# Altium PCB NG2094.PcbDoc (part 3 of 3)
Units mm, origin at the board's own origin, x right, y up, seen from the top; angles counter-clockwise.
Board outline 90 x 30.3 mm, 6 copper layers (Top Layer, Inner Layer 1, Ground 1, Inner Layer 2, Ground 2, Bottom Layer), stack 1.576 mm thick; 164 components, 128 nets, 718 pads, 672 vias.
Unrouted connection lines stored in the file: 11.
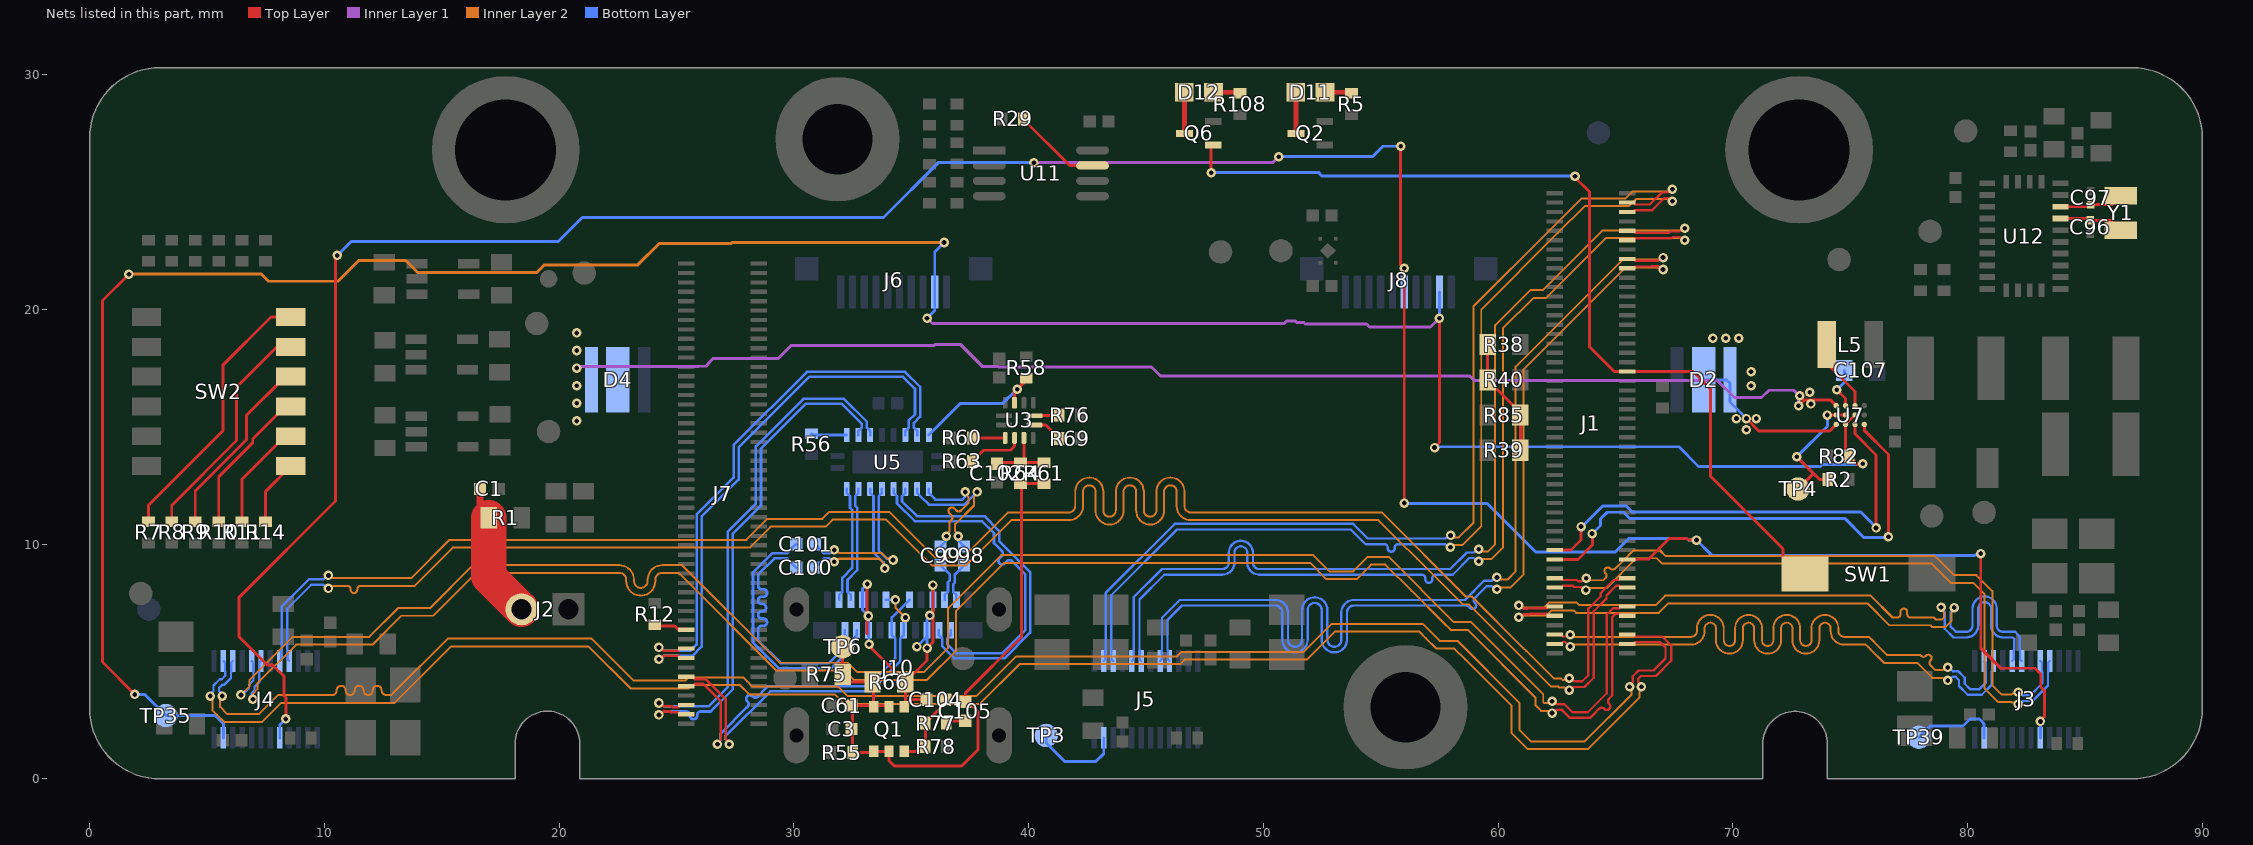
[diagram p7: the nets of this part, all layers, seen from the top]

## Via types
v1: diameter 0.406, hole 0.203, Top Layer to Bottom Layer, tented both sides, 664 vias
v2: diameter 0.508, hole 0.254, Top Layer to Bottom Layer, 8 vias

## Nets (pads, with @x,y where several pads share a name; then routed paths per layer and width w, separated by ;. In a path a pad name is that pad's centre, name@x,y a point inside that pad or via, vN(x,y) a via of type N, cw(c..) or ccw(c..) an arc to the next point about the centre after c; other vN are vias at no path point) (continued)
I2C2_SDA: J1.79 J3.20 J4.20 J8.6 | length 126.1
  Top Layer w0.125: v1(8.359,2.557) 8.359,3.463 8.287,3.534 8.287,4.364 7.796,4.855 7.566,4.855 6.357,6.065 6.357,7.718 10.475,11.836 10.475,22.225 v1(10.55,22.3) ; v1(55.85,26.95) 55.85,21.9 v1(56,21.75) v1(56,11.75) ; J1.79@65.495,9.35 65.912,9.35 65.928,9.366 66.416,9.366 67.29,10.24 68.043,10.24 68.107,10.175 v1(68.45,10.175) ; v1(80.559,9.597) 80.559,5.566 81.409,4.715 82.872,4.715 83.116,4.472 83.116,3.916 83.266,3.766 83.266,2.664 83.1,2.498 v1(83.1,2.45)
  Inner Layer 1 w0.125: v1(40.225,26.25) 50.394,26.25 v1(50.65,26.506)
  Bottom Layer w0.125: J4.20@8.1,1.745 8.1,2.298 v1(8.359,2.557) ; v1(10.55,22.3) 11.15,22.9 19.975,22.9 20.988,23.913 33.813,23.913 36.15,26.25 v1(40.225,26.25) ; v1(50.65,26.506) 54.65,26.506 55.094,26.95 v1(55.85,26.95) ; v1(56,11.75) 56.021,11.729 59.533,11.729 61.587,9.675 65,9.675 65.564,10.24 68.043,10.24 68.107,10.175 v1(68.45,10.175) 69.1,9.525 80.289,9.525 80.307,9.543 80.506,9.543 v1(80.559,9.597) ; J8.6@56,20.75 v1(56,21.75) ; J3.20@83.1,1.745 v1(83.1,2.45)
I2C3_SCL: J1.78 U7.B3 | length 20
  Top Layer w0.125: J1.78@62.415,9.75 63.1,9.75 63.525,10.175 63.525,10.739 v1(63.534,10.747) ; U7.B3@75.2,15.1 75.2,14.7 76.1,13.8 v1(76.1,10.691)
  Bottom Layer w0.125: v1(63.534,10.747) 63.585,10.747 64.472,11.634 65.449,11.634 65.709,11.375 75.45,11.375 76.1,10.725 v1(76.1,10.691)
I2C3_SDA: J1.80 U7.A3 | length 21.2
  Top Layer w0.125: J1.80@62.415,9.35 63.4,9.35 64.025,9.975 64.025,10.43 v1(64.004,10.451) ; U7.A3@75.6,15.1 75.6,14.85 76.625,13.825 v1(76.625,10.315)
  Bottom Layer w0.125: v1(64.004,10.451) 64.026,10.451 64.366,10.791 64.366,11.078 64.647,11.359 65.335,11.359 65.595,11.1 74.764,11.1 75.589,10.275 76.585,10.275 v1(76.625,10.315)
LED_FLD_1: D2.1 U7.D3 | length 7.1
  Top Layer w0.125: v1(70.575,15.35) 71.1,14.825 74.125,14.825 U7.D3@74.4,15.1
  Bottom Layer w0.125: D2.1@68.75,17 69.725,17 69.875,16.85 69.875,16.05 v1(70.575,15.35)
  other v1: 70.575,14.875 70.15,15.35 71,15.35 70.775,16.75 70.775,17.348 69.15,18.775 69.7,18.775 70.25,18.775
LED_FLD_2: D4.1 U7.D1 | length 55.9
  Top Layer w0.125: v1(72.8,15.9) 73.05,16.15 74.15,16.15 U7.D1@74.4,15.9
  Inner Layer 1 w0.125: v1(20.75,17.5) 20.804,17.554 20.942,17.554 20.964,17.575 25.946,17.575 25.951,17.58 26.261,17.58 26.334,17.653 26.334,17.672 26.578,17.915 29.341,17.915 29.885,18.46 35.991,18.46 36.044,18.513 37.087,18.513 38.025,17.575 38.7,17.575 38.725,17.55 45.234,17.55 45.622,17.163 58.795,17.163 58.992,16.966 69.35,16.966 70.066,16.25 71.225,16.25 71.533,16.558 72.592,16.558 72.8,16.35 v1(72.8,15.9)
  other v1: 20.75,15.25 73.325,15.975 20.75,16 72.85,16.325 73.275,16.475 20.75,16.75 20.75,18.25 20.75,19
MIPI_RX2_C_N: J1.95 J4.11 | length 76
  Top Layer w0.098: J1.95@65.495,6.15 65.755,6.15 65.835,6.07 66.994,6.07 67.37,5.695 67.37,5.03 66.72,4.381 66.078,4.381 65.973,4.276 65.973,4.136 66.106,4.003 v1(66.106,3.925)
  Inner Layer 2 w0.084: v1(5.141,3.528) 5.141,3.441 5.229,3.353 5.229,2.929 5.417,2.742 5.724,2.434 7.351,2.434 7.911,2.994 8.158,3.242 12.992,3.242 15.4,5.65 21.25,5.65 23.041,3.859 25.518,3.859 25.654,3.995 27.705,3.995 28.1,3.6 31.75,3.6 32.155,3.195 37.912,3.195 39.611,4.894 46.457,4.894 46.648,5.085 51.852,5.085 53.042,6.275 56.65,6.275 56.925,6 57.375,5.55 58.133,5.55 58.592,5.092 60.575,3.108 60.575,1.95 60.925,1.6 61.258,1.267 63.825,1.267 66.018,3.459 v1@66.018,3.75
  Bottom Layer w0.098: v1(5.141,3.528) 5.141,3.606 5.274,3.739 5.274,3.978 5.541,4.245 5.625,4.245 5.78,4.4 5.78,4.557 5.766,4.571 5.766,4.959 J4.11@5.7,5.025
MIPI_RX2_C_P: J1.97 J4.10 | length 75.8
  Top Layer w0.098: J1.97@65.495,5.75 65.755,5.75 65.835,5.83 66.895,5.83 67.13,5.595 67.13,5.13 66.62,4.62 65.979,4.62 65.733,4.375 65.733,4.136 65.6,4.003 v1(65.6,3.925)
  Inner Layer 2 w0.084: v1@5.559,3.479 5.559,3.066 5.861,2.764 7.214,2.764 7.581,3.131 8.021,3.572 10,3.572 10.332,3.572 ccw(c10.332,3.764) 10.524,3.764 10.524,3.774 cw(c10.716,3.774) 10.908,3.774 10.908,3.764 ccw(c11.1,3.764) 11.292,3.764 11.292,3.774 cw(c11.484,3.774) 11.676,3.774 11.676,3.764 ccw(c11.867,3.764) 12.059,3.764 12.059,3.774 cw(c12.251,3.774) 12.443,3.774 12.443,3.764 ccw(c12.635,3.764) 12.635,3.572 12.855,3.572 12.965,3.682 15.263,5.98 21.387,5.98 22.354,5.012 23.178,4.189 25.382,4.189 25.517,4.325 27.842,4.325 28.008,4.158 28.237,3.93 31.887,3.93 32.292,3.525 37.775,3.525 39.474,5.224 46.32,5.224 46.512,5.415 51.715,5.415 52.905,6.605 56.787,6.605 57.512,5.88 58.27,5.88 60.905,3.245 60.905,2.087 61.395,1.597 63.688,1.597 65.688,3.596 v1@65.688,3.75
  Bottom Layer w0.098: v1(5.647,3.528) 5.647,3.606 5.514,3.739 5.514,3.879 5.64,4.005 5.724,4.005 6.02,4.301 6.02,4.557 6.034,4.571 6.034,4.959 J4.10@6.1,5.025
MIPI_RX2_D0_N: J1.89 J4.8 | length 76.7
  Top Layer w0.098: v1(62.3,3.313) 62.378,3.313 62.511,3.18 62.824,3.18 63.164,2.84 63.815,2.84 64.625,3.65 64.625,6.997 64.898,7.27 65.155,7.27 65.235,7.35 J1.89@65.495,7.35
  Inner Layer 2 w0.084: v1(6.444,3.576) 6.82,3.952 6.82,4.219 8.656,6.055 11.913,6.055 13.138,7.28 14.505,7.28 16.33,9.105 21,9.105 22.565,9.105 cw(c22.565,8.483) 23.187,8.483 23.187,8.43 ccw(c23.479,8.43) 23.771,8.43 23.771,8.483 cw(c24.393,8.483) 24.393,9.105 24.6,9.105 25.235,9.105 29.391,4.949 32.291,4.949 32.691,4.549 35.534,4.549 36.569,5.584 36.569,7.271 38.828,9.53 52.125,9.53 52.812,8.843 53.838,8.843 54.451,9.455 55.337,9.455 58.117,6.675 58.851,6.675 61.922,3.604 61.922,3.274 61.971,3.225 62.125,3.225 62.213,3.313 v1(62.3,3.313)
  Bottom Layer w0.098: v1(6.444,3.576) 6.486,3.576 6.787,3.877 6.787,4.011 6.98,4.204 6.98,4.557 6.966,4.571 6.966,4.959 J4.8@6.9,5.025
MIPI_RX2_D0_P: J1.91 J4.7 | length 76.7
  Top Layer w0.098: v1(62.3,2.807) 62.378,2.807 62.511,2.94 62.725,2.94 63.065,2.6 63.914,2.6 64.057,2.743 64.303,2.989 cw(c64.408,2.883) 64.514,2.989 64.524,2.978 ccw(c64.629,3.084) 64.735,2.978 ccw(c64.629,3.084) 64.735,3.189 64.725,3.2 cw(c64.83,3.305) 64.725,3.411 64.865,3.551 64.865,3.647 64.865,6.897 64.997,7.03 65.155,7.03 65.235,6.95 J1.91@65.495,6.95
  Inner Layer 2 w0.084: v1(6.955,3.39) 6.949,3.397 6.949,3.613 7.15,3.815 7.15,4.082 8.793,5.725 12.05,5.725 13.275,6.95 14.642,6.95 16.467,8.775 21,8.775 22.565,8.775 cw(c22.565,8.483) 22.857,8.483 22.857,8.43 ccw(c23.479,8.43) 24.101,8.43 24.101,8.483 cw(c24.393,8.483) 24.393,8.775 24.6,8.775 25.098,8.775 29.254,4.619 32.154,4.619 32.554,4.219 35.671,4.219 36.899,5.447 36.899,7.134 38.965,9.2 51.988,9.2 52.676,8.513 53.975,8.513 54.587,9.125 55.2,9.125 56.313,8.013 57.663,6.663 57.98,6.345 58.714,6.345 61.592,3.467 61.592,3.137 61.834,2.895 62.125,2.895 62.213,2.807 v1(62.3,2.807)
  Bottom Layer w0.098: v1(6.955,3.39) 6.907,3.438 6.907,3.658 7.027,3.777 7.027,3.912 7.22,4.105 7.22,4.557 7.234,4.571 7.234,4.959 J4.7@7.3,5.025
MIPI_RX2_D1_N: J1.83 J4.5 | length 77
  Top Layer w0.098: v1(63.025,4.289) 63.103,4.289 63.236,4.156 63.581,4.156 63.835,4.41 63.835,7.243 64.374,7.782 64.374,7.918 64.926,8.47 65.155,8.47 65.235,8.55 J1.83@65.495,8.55
  Inner Layer 2 w0.084: v1(10.175,8.668) 10.262,8.668 10.375,8.555 13.705,8.555 15.33,10.18 27.978,10.18 28.872,11.074 31.213,11.074 31.514,11.375 34.067,11.375 36.017,9.425 37.2,9.425 39.13,11.355 39.675,11.355 41.72,11.355 ccw(c41.72,11.622) 41.987,11.622 41.987,12.24 cw(c42.584,12.24) 42.584,12.837 cw(c42.584,12.24) 43.181,12.24 43.181,11.436 ccw(c43.448,11.436) 43.448,11.169 ccw(c43.448,11.436) 43.715,11.436 43.715,12.24 cw(c44.312,12.24) 44.312,12.837 cw(c44.312,12.24) 44.909,12.24 44.909,11.436 ccw(c45.176,11.436) 45.176,11.169 ccw(c45.176,11.436) 45.443,11.436 45.443,12.24 cw(c46.04,12.24) 46.04,12.837 cw(c46.04,12.24) 46.637,12.24 46.637,11.622 ccw(c46.904,11.622) 46.904,11.355 47.975,11.355 55.037,11.355 58.621,7.771 58.879,7.771 61.075,5.575 61.192,5.458 62.381,4.269 62.696,4.269 62.745,4.22 62.815,4.22 62.823,4.227 62.963,4.227 v1(63.025,4.289)
  Bottom Layer w0.098: J4.5@8.1,5.025 8.166,5.091 8.166,5.479 8.18,5.493 8.18,7.344 9.346,8.51 9.964,8.51 10.122,8.668 v1(10.175,8.668)
MIPI_RX2_D1_P: J1.85 J4.4 | length 77
  Top Layer w0.098: v1(63.025,3.783) 63.103,3.783 63.236,3.916 63.68,3.916 64.075,4.311 64.075,7.144 64.614,7.683 64.614,7.819 65.025,8.23 65.155,8.23 65.235,8.15 J1.85@65.495,8.15
  Inner Layer 2 w0.084: v1(10.175,8.112) 10.262,8.112 10.375,8.225 10.65,8.225 10.976,8.225 cw(c10.976,8.083) 11.118,8.083 11.118,8.059 ccw(c11.26,8.059) 11.401,8.059 11.401,8.083 cw(c11.543,8.083) 11.543,8.225 12.25,8.225 13.842,8.225 15.467,9.85 28.115,9.85 29.009,10.744 31.35,10.744 31.651,11.045 33.93,11.045 34.325,10.65 35.88,9.095 37.337,9.095 38.561,10.319 39.267,11.025 39.675,11.025 41.72,11.025 ccw(c41.72,11.622) 42.317,11.622 42.317,12.24 cw(c42.584,12.24) 42.584,12.507 cw(c42.584,12.24) 42.851,12.24 42.851,11.436 ccw(c43.448,11.436) 43.448,10.838 ccw(c43.448,11.436) 44.045,11.436 44.045,12.24 cw(c44.312,12.24) 44.312,12.507 cw(c44.312,12.24) 44.579,12.24 44.579,11.436 ccw(c45.176,11.436) 45.176,10.838 ccw(c45.176,11.436) 45.773,11.436 45.773,12.24 cw(c46.04,12.24) 46.04,12.507 cw(c46.04,12.24) 46.307,12.24 46.307,11.622 ccw(c46.904,11.622) 46.904,11.025 47.975,11.025 54.9,11.025 55.75,10.175 56.55,9.375 58.484,7.441 58.742,7.441 62.244,3.939 62.559,3.939 62.609,3.889 62.831,3.889 62.938,3.783 v1(63.025,3.783)
  Bottom Layer w0.098: J4.4@8.5,5.025 8.434,5.091 8.434,5.479 8.42,5.493 8.42,7.245 9.445,8.27 9.964,8.27 10.122,8.112 v1(10.175,8.112)
MIPI_RX3_C_N: J1.96 J3.11 | length 27.8
  Top Layer w0.098: J1.96@62.415,6.15 62.675,6.15 62.755,6.07 62.918,6.07 62.992,6.143 v1(63.075,6.143)
  Inner Layer 2 w0.084: v1@63.25,6.055 66.871,6.055 68.225,6.055 ccw(c68.225,6.297) 68.467,6.297 68.467,6.414 cw(c69.039,6.414) 69.039,6.986 cw(c69.039,6.414) 69.611,6.414 69.611,5.906 ccw(c69.853,5.906) 69.853,5.665 ccw(c69.853,5.906) 70.095,5.906 70.095,6.414 cw(c70.667,6.414) 70.667,6.986 cw(c70.667,6.414) 71.239,6.414 71.239,5.906 ccw(c71.481,5.906) 71.481,5.665 ccw(c71.481,5.906) 71.723,5.906 71.723,6.414 cw(c72.295,6.414) 72.295,6.986 cw(c72.295,6.414) 72.867,6.414 72.867,5.906 ccw(c73.109,5.906) 73.109,5.665 ccw(c73.109,5.906) 73.351,5.906 73.351,6.414 cw(c73.923,6.414) 73.923,6.986 cw(c73.923,6.414) 74.495,6.414 74.495,6.297 ccw(c74.737,6.297) 74.737,6.055 75.758,6.055 75.794,6.055 75.99,5.859 76.112,5.737 76.575,5.274 77.988,5.274 78.018,5.244 ccw(c78.118,5.345) 78.218,5.244 78.223,5.249 cw(c78.323,5.149) 78.424,5.249 cw(c78.323,5.149) 78.424,5.048 78.419,5.044 ccw(c78.519,4.943) 78.419,4.843 78.625,4.637 78.887,4.637 78.95,4.637 79.063,4.75 v1(79.15,4.75)
  Bottom Layer w0.098: v1(79.15,4.75) 79.203,4.75 79.361,4.592 79.587,4.592 79.873,4.306 79.873,4.052 80.1,3.825 80.5,3.825 80.78,4.105 80.78,4.557 80.766,4.571 80.766,4.959 J3.11@80.7,5.025
MIPI_RX3_C_P: J1.98 J3.10 | length 28.1
  Top Layer w0.098: J1.98@62.415,5.75 62.675,5.75 62.755,5.83 62.856,5.83 63.049,5.637 v1(63.075,5.637)
  Inner Layer 2 w0.084: v1(63.075,5.637) 63.162,5.637 63.25,5.725 66.871,5.725 68.225,5.725 ccw(c68.225,6.297) 68.797,6.297 68.797,6.414 cw(c69.039,6.414) 69.039,6.656 cw(c69.039,6.414) 69.281,6.414 69.281,5.906 ccw(c69.853,5.906) 69.853,5.334 ccw(c69.853,5.906) 70.425,5.906 70.425,6.414 cw(c70.667,6.414) 70.667,6.656 cw(c70.667,6.414) 70.909,6.414 70.909,5.906 ccw(c71.481,5.906) 71.481,5.334 ccw(c71.481,5.906) 72.053,5.906 72.053,6.414 cw(c72.295,6.414) 72.295,6.656 cw(c72.295,6.414) 72.537,6.414 72.537,5.906 ccw(c73.109,5.906) 73.109,5.334 ccw(c73.109,5.906) 73.681,5.906 73.681,6.414 cw(c73.923,6.414) 73.923,6.656 cw(c73.923,6.414) 74.165,6.414 74.165,6.297 ccw(c74.737,6.297) 74.737,5.725 75.657,5.725 75.66,5.722 75.758,5.624 75.853,5.528 76.438,4.944 77.851,4.944 78.488,4.307 78.95,4.307 79.063,4.194 v1(79.15,4.194)
  Bottom Layer w0.098: v1(79.15,4.194) 79.203,4.194 79.361,4.352 79.488,4.352 79.633,4.207 79.633,3.953 80.001,3.585 80.599,3.585 81.02,4.006 81.02,4.557 81.034,4.571 81.034,4.959 J3.10@81.1,5.025
MIPI_RX3_D0_N: J1.90 J3.8 | length 29
  Top Layer w0.098: v1(60.875,7.388) 60.953,7.388 61.086,7.255 61.235,7.255 61.25,7.27 62.075,7.27 62.155,7.35 J1.90@62.415,7.35
  Inner Layer 2 w0.084: v1(60.875,7.388) 60.962,7.388 61.05,7.3 61.943,7.3 62.156,7.514 63.348,7.514 63.456,7.405 66.713,7.405 67.113,7.805 75.871,7.805 76.8,6.876 76.958,6.876 77,6.876 ccw(c77,7.018) 77.142,7.018 77.142,7.114 cw(c77.283,7.114) 77.425,7.114 77.425,7.018 ccw(c77.567,7.018) 77.567,6.876 78.17,6.876 78.555,6.876 78.631,6.8 78.909,6.8 78.984,6.875 78.984,7.109 78.868,7.225 v1(78.868,7.313)
  Bottom Layer w0.098: v1(78.868,7.313) 78.868,7.263 79.03,7.101 79.03,7.02 79.03,6.396 79.401,6.025 79.767,6.025 79.936,6.025 ccw(c79.936,6.539) 80.45,6.539 80.45,7.259 cw(c80.724,7.259) 80.998,7.259 80.998,6.539 ccw(c81.512,6.539) 81.512,6.025 81.925,6.025 81.98,5.97 81.98,5.84 81.98,5.493 81.966,5.479 81.966,5.091 J3.8@81.9,5.025
MIPI_RX3_D0_P: J1.92 J3.7 | length 29
  Top Layer w0.098: v1(60.875,6.882) 60.953,6.882 61.086,7.015 61.334,7.015 61.349,7.03 62.075,7.03 62.155,6.95 J1.92@62.415,6.95
  Inner Layer 2 w0.084: v1(60.875,6.882) 60.962,6.882 61.05,6.97 62.079,6.97 62.293,7.184 63.211,7.184 63.32,7.075 66.85,7.075 67.25,7.475 75.734,7.475 76.663,6.546 78.418,6.546 78.494,6.47 79.046,6.47 79.315,6.738 79.315,7.096 79.431,7.213 v1(79.431,7.3)
  Bottom Layer w0.098: v1(79.431,7.3) 79.431,7.25 79.269,7.089 79.269,7.004 79.269,6.495 79.5,6.265 79.767,6.265 79.936,6.265 ccw(c79.936,6.539) 80.21,6.539 80.21,7.259 cw(c80.724,7.259) 81.238,7.259 81.238,6.539 ccw(c81.512,6.539) 81.512,6.265 82.024,6.265 82.093,6.197 82.22,6.069 82.22,5.493 82.234,5.479 82.234,5.091 J3.7@82.3,5.025
MIPI_RX3_D1_N: J1.84 J3.5 | length 28
  Top Layer w0.098: J1.84@62.415,8.55 62.675,8.55 62.755,8.47 63.347,8.47 63.399,8.417 63.539,8.417 63.672,8.55 v1(63.75,8.55)
  Inner Layer 2 w0.084: v1(63.75,8.55) 63.837,8.55 63.925,8.462 64.483,8.462 64.548,8.527 64.577,8.557 ccw(c64.477,8.657) 64.577,8.757 64.57,8.765 cw(c64.67,8.865) 64.57,8.966 cw(c64.67,8.865) 64.771,8.966 64.778,8.958 ccw(c64.879,9.059) 64.979,8.958 65.323,9.302 65.751,9.73 66.895,9.73 67.12,9.505 78.6,9.505 79.426,8.679 80.368,8.679 81.05,7.997 81.05,3.987 81.437,3.6 81.875,3.6 81.905,3.63 82.088,3.63 v1(82.15,3.692)
  Bottom Layer w0.098: v1(82.15,3.692) 82.228,3.692 82.361,3.559 82.664,3.559 83.18,4.075 83.18,4.557 83.166,4.571 83.166,4.959 J3.5@83.1,5.025
MIPI_RX3_D1_P: J1.86 J3.4 | length 28
  Top Layer w0.098: J1.86@62.415,8.15 62.675,8.15 62.755,8.23 63.176,8.23 63.229,8.177 63.529,8.177 63.662,8.044 v1(63.741,8.044)
  Inner Layer 2 w0.084: v1(63.741,8.044) 63.828,8.044 63.916,8.132 64.45,8.132 64.62,8.132 65.888,9.4 66.758,9.4 66.983,9.175 78.463,9.175 79.289,8.349 80.232,8.349 80.72,7.861 80.72,3.85 81.3,3.27 81.875,3.27 81.897,3.247 82.088,3.247 v1(82.149,3.186)
  Bottom Layer w0.098: v1(82.149,3.186) 82.228,3.186 82.361,3.319 82.763,3.319 83.42,3.976 83.42,4.557 83.434,4.571 83.434,4.959 J3.4@83.5,5.025
MIPI_RX4_C_N: J1.3 J5.11 | length 42.2
  Top Layer w0.098: J1.3@65.495,24.55 65.755,24.55 65.835,24.47 66.462,24.47 66.975,24.983 67.214,24.983 67.347,25.116 v1(67.425,25.116)
  Inner Layer 2 w0.084: v1@58.15,10.285 58.327,10.285 58.951,10.909 58.951,20.125 62.219,23.393 62.219,23.396 63.553,24.73 65.436,24.73 65.736,25.03 67.083,25.03 67.085,25.028 67.25,25.028 67.338,25.116 v1(67.425,25.116)
  Bottom Layer w0.098: J5.11@43.2,5.025 43.266,5.091 43.266,5.479 43.28,5.493 43.28,7.919 46.226,10.865 53.825,10.865 54.449,10.24 57.764,10.24 57.897,10.373 v1(57.975,10.373)
MIPI_RX4_C_P: J1.5 J5.10 | length 42.2
  Top Layer w0.098: J1.5@65.495,24.15 65.755,24.15 65.835,24.23 66.562,24.23 67.074,24.743 67.214,24.743 67.347,24.61 v1(67.425,24.61)
  Inner Layer 2 w0.084: v1@58.144,9.955 58.464,9.955 59.281,10.772 59.281,19.988 62.549,23.256 62.549,23.259 63.69,24.4 65.573,24.4 65.873,24.7 66.946,24.7 66.948,24.698 67.25,24.698 67.338,24.61 v1(67.425,24.61)
  Bottom Layer w0.098: J5.10@43.6,5.025 43.534,5.091 43.534,5.479 43.52,5.493 43.52,7.82 46.325,10.625 53.725,10.625 54.35,10 54.8,10 55.148,10 cw(c55.148,9.851) 55.297,9.851 55.297,9.825 ccw(c55.446,9.825) 55.446,9.676 ccw(c55.446,9.825) 55.595,9.825 55.595,9.851 cw(c55.744,9.851) 55.744,10 56.275,10 57.757,10 57.89,9.867 v1(57.968,9.867)
MIPI_RX4_D0_N: J1.9 J5.8 | length 42.6
  Top Layer w0.098: J1.9@65.495,23.35 65.755,23.35 65.835,23.27 67.276,23.27 67.329,23.323 67.739,23.323 67.872,23.456 v1(67.95,23.456)
  Inner Layer 2 w0.084: v1(59.175,9.781) 59.262,9.781 59.35,9.693 59.575,9.693 59.875,9.993 59.875,19.327 61.372,20.824 61.909,20.824 64.453,23.368 67.775,23.368 67.863,23.456 v1(67.95,23.456)
  Bottom Layer w0.098: J5.8@44.4,5.025 44.466,5.091 44.466,5.479 44.48,5.493 44.48,7.744 45.676,8.94 47.195,8.94 48.253,8.94 ccw(c48.253,9.214) 48.527,9.214 48.527,9.632 cw(c49.041,9.632) 49.555,9.632 49.555,9.214 ccw(c49.829,9.214) 49.829,8.94 50.786,8.94 57.965,8.94 58.673,9.648 58.964,9.648 59.097,9.781 v1(59.175,9.781)
MIPI_RX4_D0_P: J1.11 J5.7 | length 42.6
  Top Layer w0.098: J1.11@65.495,22.95 65.755,22.95 65.835,23.03 67.387,23.03 67.44,23.083 67.739,23.083 67.872,22.95 v1(67.95,22.95)
  Inner Layer 2 w0.084: v1(59.175,9.275) 59.262,9.275 59.35,9.363 59.712,9.363 60.205,9.856 60.205,19.19 61.509,20.494 62.046,20.494 64.59,23.038 67.775,23.038 67.863,22.95 v1(67.95,22.95)
  Bottom Layer w0.098: J5.7@44.8,5.025 44.734,5.091 44.734,5.479 44.72,5.493 44.72,7.645 45.775,8.7 47.195,8.7 48.253,8.7 ccw(c48.253,9.214) 48.767,9.214 48.767,9.632 cw(c49.041,9.632) 49.315,9.632 49.315,9.214 ccw(c49.829,9.214) 49.829,8.7 50.786,8.7 56.4,8.7 56.748,8.7 cw(c56.748,8.551) 56.897,8.551 56.897,8.499 ccw(c57.046,8.499) 57.046,8.35 ccw(c57.046,8.499) 57.195,8.499 57.195,8.551 cw(c57.344,8.551) 57.344,8.7 57.775,8.7 58.064,8.7 58.772,9.408 58.964,9.408 59.097,9.275 v1(59.175,9.275)
MIPI_RX4_D1_N: J1.15 J5.5 | length 42.9
  Top Layer w0.098: J1.15@65.495,22.15 65.755,22.15 65.835,22.07 66.418,22.07 66.421,22.073 66.814,22.073 66.947,22.206 v1(67.025,22.206)
  Inner Layer 2 w0.084: v1(59.95,8.581) 60.037,8.581 60.125,8.493 60.4,8.493 60.744,8.837 60.744,17.559 65.303,22.118 v1@66.85,22.118
  Bottom Layer w0.098: J5.5@45.6,5.025 45.666,5.091 45.666,5.479 45.68,5.493 45.68,6.869 46.436,7.625 48.95,7.625 50.509,7.625 cw(c50.509,7.086) 51.048,7.086 51.048,5.929 ccw(c51.348,5.929) 51.348,5.63 ccw(c51.348,5.929) 51.647,5.929 51.647,7.198 cw(c52.186,7.198) 52.186,7.737 cw(c52.186,7.198) 52.725,7.198 52.725,5.929 ccw(c53.024,5.929) 53.024,5.63 ccw(c53.024,5.929) 53.323,5.929 53.323,7.086 cw(c53.862,7.086) 53.862,7.625 54.031,7.625 58.586,7.625 59.409,8.448 59.739,8.448 59.872,8.581 v1(59.95,8.581)
MIPI_RX4_D1_P: J1.17 J5.4 | length 42.9
  Top Layer w0.098: J1.17@65.495,21.75 65.755,21.75 65.835,21.83 66.537,21.83 66.54,21.833 66.814,21.833 66.947,21.7 v1(67.025,21.7)
  Inner Layer 2 w0.084: v1(59.95,8.075) 60.037,8.075 60.125,8.163 60.537,8.163 61.074,8.7 61.074,17.422 65.44,21.788 v1@66.85,21.788
  Bottom Layer w0.098: J5.4@46,5.025 45.934,5.091 45.934,5.479 45.92,5.493 45.92,6.77 46.535,7.385 48.95,7.385 50.509,7.385 cw(c50.509,7.086) 50.809,7.086 50.809,5.929 ccw(c51.348,5.929) 51.348,5.39 ccw(c51.348,5.929) 51.887,5.929 51.887,7.198 cw(c52.186,7.198) 52.186,7.497 cw(c52.186,7.198) 52.485,7.198 52.485,5.929 ccw(c53.024,5.929) 53.024,5.39 ccw(c53.024,5.929) 53.563,5.929 53.563,7.086 cw(c53.862,7.086) 53.862,7.385 54.031,7.385 57.79,7.385 58.641,7.385 cw(c58.641,7.236) 58.747,7.341 58.807,7.281 ccw(c58.913,7.387) 59.018,7.281 ccw(c58.913,7.387) 59.018,7.492 59.011,7.5 cw(c59.116,7.605) 59.011,7.711 59.175,7.875 59.508,8.208 59.739,8.208 59.872,8.075 v1(59.95,8.075)
MX_RST_1V8: J1.39 Q6.1 SW1.2 | length 39.9
  Top Layer w0.125: v1(47.775,25.825) 47.775,26.915 Q6.1@47.86,27 ; v1(63.275,25.675) 63.275,25.625 63.9,25 63.9,18.4 64.95,17.35 J1.39@65.495,17.35 68.3,17.35 69.05,16.6 69.05,12.889 72.138,9.801 72.138,9.412 72.825,8.725 SW1.2@73.075,8.725
  Bottom Layer w0.125: v1(47.775,25.825) 49.345,25.825 49.361,25.841 52.337,25.841 52.503,25.675 v1(63.275,25.675)
NetC1_2: C1.2 J2.P2 R1.1 | length 5.9
  Top Layer w0.3: C1.2@16.625,12.35 16.625,11.5 R1.1@17,11.125
  Top Layer w1.5: R1.1@17,11.125 17,8.625 J2.P2@18.4,7.225
NetC104_1: C104.1 Q1.3 R77.1 R78.2 | length 3.3
  Top Layer w0.125: Q1.3@34.7,1.175 35.4,1.175 R78.2@35.6,1.375 R77.1@35.6,2.375 36.45,3.225 C104.1@36.45,3.375
NetC105_1: C105.1 R77.2 | length 0.8
  Top Layer w0.125: R77.2@36.5,2.375 36.6,2.475 C105.1@37.3,2.475
NetC107_1: C107.1 U7.C1 | length 1.8
  Top Layer w0.125: v1(74.425,16.575) 74.8,16.2 U7.C1@74.8,15.9
  Bottom Layer w0.125: v1(74.425,16.575) 74.75,16.9 C107.1@74.75,17.4
NetD11_1: D11.1 Q2.3 | length 1.8
  Top Layer w0.2: D11.1@51.375,29.25 51.39,29.235 Q2.3@51.39,27.5
NetD11_2: D11.2 R5.1 | length 1.1
  Top Layer w0.2: D11.2@52.625,29.25 53.7,29.25 R5.1@53.75,29.2
NetD12_1: D12.1 Q6.3 | length 1.8
  Top Layer w0.2: D12.1@46.625,29.25 46.64,29.235 Q6.3@46.64,27.5
NetD12_2: D12.2 R108.1 | length 1.1
  Top Layer w0.2: D12.2@47.875,29.25 48.95,29.25 R108.1@49,29.2
NetL5_2: L5.2 U7.B1 | length 3.1
  Top Layer w0.125: L5.2@74,18.5 74,17.7 75.2,16.5 U7.B1@75.2,15.9
NetR2_1: R2.1 TP4.1 U7.C2 U7.D2 | length 5.8
  Top Layer w0.125: v1(72.725,13.725) 73.425,13.025 ; TP4.1@72.775,12.35 73.425,13 73.425,13.025 ; v1(74.025,15.5) U7.D2@74.4,15.5 U7.C2@74.8,15.5 ; R2.1@74.05,12.75 73.7,12.75 73.425,13.025
  Bottom Layer w0.125: v1(72.725,13.725) 74.025,15.025 v1(74.025,15.5)
NetR7_1: R7.1 SW2.12 | length 11.7
  Top Layer w0.125: R7.1@2.5,10.95 2.5,11.65 5.675,14.825 5.675,17.625 7.725,19.675 SW2.12@8.575,19.675
NetR8_1: R8.1 SW2.11 | length 9.9
  Top Layer w0.125: R8.1@3.5,10.95 3.5,11.65 6.262,14.412 6.262,16.687 7.98,18.405 SW2.11@8.575,18.405
NetR9_1: R9.1 SW2.10 | length 8
  Top Layer w0.125: R9.1@4.5,10.95 4.5,12.261 6.675,14.436 6.675,15.48 8.33,17.135 SW2.10@8.575,17.135
NetR10_1: R10.1 SW2.9 | length 6.3
  Top Layer w0.125: R10.1@5.5,10.95 5.5,12.872 6.95,14.322 6.95,14.485 8.33,15.865 SW2.9@8.575,15.865
NetR11_1: R11.1 SW2.8 | length 4.7
  Top Layer w0.125: R11.1@6.5,10.95 6.5,12.775 8.32,14.595 SW2.8@8.575,14.595
NetR14_1: R14.1 SW2.7 | length 2.8
  Top Layer w0.125: R14.1@7.5,10.95 7.5,12.25 SW2.7@8.575,13.325
NetR29_2: R29.2 U11.7 | length 3.8
  Top Layer w0.125: R29.2@39.765,28.113 41.753,26.125 U11.7@42.725,26.125
NetR38_1: R38.1 R39.1 R40.1 R85.1 | length 5.1
  Top Layer w0.125: R38.1@59.55,18.5 R40.1@59.55,17 60.95,15.6 R85.1@60.95,15.5 R39.1@60.95,14
NetR56_1: R56.1 U5.2 | length 1.5
  Bottom Layer w0.125: R56.1@30.75,14.7 30.8,14.65 U5.2@32.25,14.65
NetR58_1: R58.1 U3.11 U5.9 | length 5.8
  Top Layer w0.125: U3.11@39.4,16.025 39.4,16.487 v1(39.513,16.599) 39.9,16.987 R58.1@39.9,17.075
  Bottom Layer w0.125: U5.9@35.75,14.65 37.1,16 38.9,16 39.5,16.6 v1(39.513,16.599)
OUT1: R69.1 U3.7 | length 1.3
  Top Layer w0.125: U3.7@40.25,15.075 40.725,15.075 R69.1@41.3,14.5
OUT2: R76.1 U3.8 | length 1.1
  Top Layer w0.125: U3.8@40.25,15.475 41.275,15.475 R76.1@41.3,15.5
RXB_N: J10.B10 U5.14 | length 15.3
  Bottom Layer w0.111: U5.14@34.75,12.35 34.75,12.175 34.68,12.105 34.673,12.105 34.608,12.04 34.608,11.825 35.241,11.192 38.113,11.192 38.741,10.564 38.741,10.134 40.066,8.809 40.066,6.236 38.964,5.134 36.841,5.134 36.317,5.658 36.317,5.983 36.175,6.125 J10.B10@36.175,6.325
RXB_P: J10.B11 U5.15 | length 15.2
  Bottom Layer w0.111: U5.15@34.25,12.35 34.25,12.175 34.32,12.105 34.327,12.105 34.392,12.04 34.392,11.736 35.151,10.976 38.024,10.976 38.525,10.475 38.525,10.044 38.572,9.997 38.856,9.713 cw(c38.746,9.604) 38.856,9.494 38.761,9.399 ccw(c38.871,9.289) 38.761,9.179 ccw(c38.871,9.289) 38.981,9.179 39.076,9.274 cw(c39.186,9.164) 39.296,9.274 39.335,9.235 39.85,8.719 39.85,6.325 38.875,5.35 36.93,5.35 36.533,5.747 36.533,5.983 36.675,6.125 J10.B11@36.675,6.325
RXC_N: J10.A10 U5.18 | length 5.1
  Bottom Layer w0.111: J10.A10@32.425,7.625 32.425,7.825 32.283,7.967 32.283,8.477 32.7,8.894 32.7,11.548 32.608,11.64 32.608,12.04 32.673,12.105 32.68,12.105 32.75,12.175 U5.18@32.75,12.35
RXC_P: J10.A11 U5.19 | length 5.1
  Bottom Layer w0.111: J10.A11@31.925,7.625 31.925,7.825 32.067,7.967 32.067,8.567 32.484,8.984 32.484,11.459 32.392,11.551 32.392,12.04 32.327,12.105 32.32,12.105 32.25,12.175 U5.19@32.25,12.35
SSRX1_N: J7.96 U5.4 | length 22
  Top Layer w0.111: v1(24.25,3.233) 24.318,3.233 24.463,3.089 24.822,3.089 24.852,3.058 25.068,3.058 25.16,3.15 J7.96@25.42,3.15
  Bottom Layer w0.111: v1(24.25,3.233) 24.318,3.233 24.463,3.088 26.363,3.088 27.184,3.909 27.184,10.534 28.384,11.734 28.384,14.164 30.412,16.191 32.131,16.191 33.108,15.214 33.108,14.96 33.173,14.895 33.18,14.895 33.25,14.825 U5.4@33.25,14.65
SSRX1_P: J7.98 U5.3 | length 22
  Top Layer w0.111: v1(24.25,2.727) 24.318,2.727 24.463,2.872 24.732,2.872 24.762,2.842 25.068,2.842 25.16,2.75 J7.98@25.42,2.75
  Bottom Layer w0.111: v1(24.25,2.727) 24.318,2.727 24.463,2.872 25.05,2.872 25.416,2.872 cw(c25.416,2.717) 25.572,2.717 25.572,2.699 ccw(c25.727,2.699) 25.727,2.544 ccw(c25.727,2.699) 25.882,2.699 25.882,2.717 cw(c26.038,2.717) 26.038,2.872 26.453,2.872 26.475,2.894 27.4,3.819 27.4,10.444 28.6,11.644 28.6,14.074 30.501,15.975 32.042,15.975 32.892,15.125 32.892,14.96 32.827,14.895 32.82,14.895 32.75,14.825 U5.3@32.75,14.65
SSTX1_N: J7.84 U5.8 | length 23.9
  Top Layer w0.111: v1(24.25,5.599) 24.318,5.599 24.463,5.455 24.632,5.455 24.636,5.458 25.068,5.458 25.16,5.55 J7.84@25.42,5.55
  Bottom Layer w0.111: v1(24.25,5.599) 24.318,5.599 24.463,5.455 25.588,5.455 25.859,5.725 25.859,11.259 27.434,12.834 27.434,14.214 30.561,17.341 34.739,17.341 35.375,16.706 35.375,15.438 35.108,15.171 35.108,14.96 35.173,14.895 35.18,14.895 35.25,14.825 U5.8@35.25,14.65
SSTX1_P: J7.86 U5.7 | length 23.6
  Top Layer w0.111: v1(24.25,5.093) 24.318,5.093 24.463,5.238 24.896,5.238 24.9,5.242 25.068,5.242 25.16,5.15 J7.86@25.42,5.15
  Bottom Layer w0.111: v1(24.25,5.093) 24.318,5.093 24.463,5.238 25.678,5.238 26.075,5.636 26.075,11.169 27.65,12.744 27.65,14.125 30.65,17.125 34.65,17.125 35.159,16.616 35.159,15.527 34.892,15.26 34.892,14.96 34.827,14.895 34.82,14.895 34.75,14.825 U5.7@34.75,14.65
STRBL: J4.14 J6.9 J8.9 R82.2 TP35.1 U7.B2 U7.C3 | length 113.6
  Top Layer w0.125: v1(1.675,21.5) 0.55,20.375 0.55,4.975 v1(1.925,3.6) ; v1(57.291,14.116) 57.291,14.12 57.5,14.329 v1(57.5,19.625) ; U7.B2@75.2,15.5 U7.C3@74.8,15.1 74.8,13.9 R82.2@74.95,13.75 75.3,13.4 75.507,13.4 v1(75.535,13.427)
  Inner Layer 1 w0.125: v1(35.675,19.625) 35.9,19.4 50.887,19.4 51.003,19.516 51.347,19.516 51.413,19.45 51.7,19.45 51.775,19.375 54.4,19.375 54.525,19.25 57.125,19.25 v1(57.5,19.625)
  Inner Layer 2 w0.125: v1(1.675,21.5) 7.325,21.5 7.625,21.2 10.575,21.2 11.45,22.075 13.475,22.075 13.975,21.575 19.05,21.575 19.375,21.9 23.35,21.9 24.25,22.8 27.325,22.8 27.375,22.85 v1(36.4,22.85)
  Bottom Layer w0.125: v1(1.925,3.6) 2.35,3.6 TP35.1@3.25,2.7 5.35,2.7 5.7,2.35 J4.14@5.7,1.745 ; v1(35.675,19.625) 36,19.95 J6.9@36,20.75 36,22.45 v1(36.4,22.85) ; v1(57.291,14.116) 57.325,14.15 67.7,14.15 68.541,13.309 73.732,13.309 73.822,13.4 75.507,13.4 v1(75.535,13.427) ; v1(57.5,19.625) J8.9@57.5,20.75
STROBE2: J3.14 TP39.1 | length 3.8
  Bottom Layer w0.125: TP39.1@77.925,1.775 78.4,2.25 79.8,2.25 80.1,2.55 80.5,2.55 80.7,2.35 J3.14@80.7,1.745
STROBE3: J5.14 TP3.1 | length 3.9
  Bottom Layer w0.125: TP3.1@40.75,1.85 40.75,1.525 41.525,0.75 42.875,0.75 43.2,1.075 J5.14@43.2,1.745
TXB1_N: C99.2 U5.12 | length 5.3
  Inner Layer 2 w0.091: v1(36.497,10.337) 36.497,10.422 36.631,10.555 36.631,10.944 36.681,10.994 36.713,11.027 ccw(c36.61,11.13) 36.713,11.233 36.629,11.317 cw(c36.732,11.42) 36.629,11.523 cw(c36.732,11.42) 36.835,11.523 36.919,11.439 ccw(c37.022,11.542) 37.125,11.439 37.381,11.694 37.433,11.747 37.433,12.015 37.431,12.017 37.3,12.148 v1(37.3,12.225)
  Bottom Layer w0.111: U5.12@35.75,12.35 35.75,12.175 36.025,11.9 37.175,11.9 v1@37.3,12.025 ; C99.2@36.25,9.9 36.497,10.147 v1(36.497,10.337)
TXB1_P: C98.2 U5.13 | length 6
  Inner Layer 2 w0.091: v1(37.003,10.337) 37.003,10.422 36.869,10.555 36.869,10.775 36.869,10.845 37.672,11.648 37.672,12.014 37.806,12.148 v1(37.806,12.225)
  Bottom Layer w0.111: U5.13@35.25,12.35 35.25,12.175 35.32,12.105 35.327,12.105 35.392,12.04 35.392,12.038 35.746,11.684 37.265,11.684 v1(37.806,12.225) ; v1(37.003,10.337) 37.003,10.147 C98.2@37.25,9.9
TXB_N: C99.1 J10.A3 | length 1.7
  Bottom Layer w0.111: C99.1@36.25,9.1 36.642,8.708 36.642,8.455 36.567,8.38 36.567,7.967 36.425,7.825 J10.A3@36.425,7.625
TXB_P: C98.1 J10.A2 | length 1.7
  Bottom Layer w0.111: J10.A2@36.925,7.625 36.925,7.825 36.783,7.967 36.783,8.29 36.858,8.365 36.858,8.708 C98.1@37.25,9.1
TXC1_N: C101.2 U5.16 | length 7.2
  Inner Layer 2 w0.091: v1(31.725,9.753) 31.802,9.753 31.936,9.619 33.743,9.619 33.982,9.38 34.171,9.38 v1(34.226,9.326)
  Bottom Layer w0.111: C101.2@30.9,10 31.292,9.608 31.512,9.608 31.657,9.753 v1(31.725,9.753) ; U5.16@33.75,12.35 33.75,12.175 33.68,12.105 33.673,12.105 33.608,12.04 33.608,9.739 33.973,9.374 34.178,9.374 v1(34.226,9.326)
TXC1_P: C100.2 U5.17 | length 7.2
  Inner Layer 2 w0.091: v1(31.725,9.247) 31.802,9.247 31.936,9.381 33.644,9.381 33.813,9.212 33.813,9.023 v1(33.868,8.968)
  Bottom Layer w0.111: C100.2@30.9,9 31.292,9.392 31.512,9.392 31.657,9.247 v1(31.725,9.247) ; U5.17@33.25,12.35 33.25,12.175 33.32,12.105 33.327,12.105 33.392,12.04 33.392,9.649 33.82,9.221 33.82,9.016 v1(33.868,8.968)
TXC_N: C101.1 J10.B3 | length 11.2
  Bottom Layer w0.111: C101.1@30.1,10 29.708,9.608 29.077,9.608 28.259,8.789 28.259,5.811 29.357,4.712 31.583,4.712 32.533,5.662 32.533,5.983 32.675,6.125 J10.B3@32.675,6.325
TXC_P: C100.1 J10.B2 | length 11.5
  Bottom Layer w0.111: C100.1@30.1,9 29.708,9.392 29.167,9.392 28.475,8.7 28.475,8.657 28.475,8.231 ccw(c28.63,8.231) 28.63,8.075 28.705,8.075 cw(c28.705,7.92) 28.861,7.92 cw(c28.705,7.92) 28.705,7.765 28.63,7.765 ccw(c28.63,7.609) 28.475,7.609 ccw(c28.63,7.609) 28.63,7.454 28.661,7.454 cw(c28.661,7.298) 28.817,7.298 cw(c28.661,7.298) 28.661,7.143 28.63,7.143 ccw(c28.63,6.988) 28.475,6.988 ccw(c28.63,6.988) 28.63,6.832 28.705,6.832 cw(c28.705,6.677) 28.861,6.677 cw(c28.705,6.677) 28.705,6.522 28.63,6.522 ccw(c28.63,6.366) 28.475,6.366 28.475,6 28.475,5.9 29.447,4.928 31.493,4.928 32.317,5.752 32.317,5.983 32.175,6.125 J10.B2@32.175,6.325
USB_CM: R60.1 U3.3 | length 1.4
  Top Layer w0.125: R60.1@37.6,14.525 U3.3@39,14.525
USB_D_N: J7.90 J10.A7 J10.B7 | length 16.5
  Top Layer w0.111: J7.90@25.42,4.35 25.68,4.35 25.772,4.258 26.233,4.258 27.105,3.387 27.105,1.688 27.249,1.543 v1(27.249,1.475)
  Inner Layer 2 w0.091: v1(34.325,7.625) 34.325,7.3 v1(34.75,6.875)
  Bottom Layer w0.111: v1(27.249,1.475) 27.249,1.543 27.105,1.688 27.105,1.844 28.994,3.734 33.239,3.734 34.533,5.027 34.533,5.983 34.675,6.125 J10.B7@34.675,6.325 34.675,6.675 34.694,6.694 34.694,6.819 v1(34.75,6.875) ; J10.A7@33.925,7.625 v1(34.325,7.625)
USB_D_P: J7.92 J10.A6 J10.B6 | length 16.2
  Top Layer w0.111: J7.92@25.42,3.95 25.68,3.95 25.772,4.042 26.144,4.042 26.888,3.297 26.888,1.688 26.743,1.543 v1(26.743,1.475)
  Bottom Layer w0.111: v1(26.743,1.475) 26.743,1.543 26.888,1.688 26.888,1.934 27.99,3.035 28.029,3.074 ccw(c27.919,3.184) 28.029,3.294 28.018,3.305 cw(c28.128,3.415) 28.018,3.525 cw(c28.128,3.415) 28.237,3.525 28.249,3.514 ccw(c28.359,3.624) 28.469,3.514 28.821,3.866 28.905,3.95 33.15,3.95 34.317,5.117 34.317,5.983 34.175,6.125 J10.B6@34.175,6.325 34.175,6.875 J10.A6@34.925,7.625
USB_PORT: R63.1 U3.4 | length 2.4
  Top Layer w0.125: R63.1@37.6,13.525 38.075,14 39.225,14 39.4,14.175 U3.4@39.4,14.525
VBUS: C3.2 C61.2 C105.2 Q1.1 Q1.2 Q1.5 Q1.6 R55.2 R61.1 R64.1 R66.2 R75.1 TP6.1 | length 27.1
  Top Layer w0.125: TP6.1@32.075,5.625 R75.1@32.075,4.45 32.4,4.125 R66.2@33.35,4.125 33.4,4.075 Q1.6@33.4,3.125 ; Q1.6@33.4,3.075 Q1.6@33.4,3.125 ; Q1.5@34.05,3.075 34,3.125 Q1.6@33.4,3.125 ; R61.1@40.65,12.575 R64.1@39.65,12.575 39.7,12.525 39.7,6.05 37.3,3.65 C105.2@37.3,3.275 37.425,3.275 37.85,2.85 37.85,1.25 37.15,0.55 34.275,0.55 34.05,0.775 Q1.2@34.05,1.175 Q1.1@33.4,1.175 33.35,1.125 R55.2@32.5,1.125 32.5,3.075 C61.2@32.45,3.125 Q1.6@33.4,3.125
VBUS_DET: C102.2 R61.2 R64.2 U3.5 | length 3.1
  Top Layer w0.125: C102.2@38.65,13.425 38.7,13.475 R64.2@39.65,13.475 ; U3.5@39.8,14.525 39.8,13.625 R64.2@39.65,13.475 ; R61.2@40.65,13.475 R64.2@39.65,13.475
VBUS_MX: J7.80 R12.1 | length 1.4
  Top Layer w0.125: R12.1@24.075,6.575 24.143,6.507 24.922,6.507 24.982,6.448 24.992,6.448 25.062,6.377 25.393,6.377 J7.80@25.42,6.35
VBUSIN: C104.2 J10.A4 J10.A9 J10.B4 J10.B9 Q1.4 R66.1 | length 17.2
  Top Layer w0.125: 33.122,6.185 33.122,8.297 v1(33.125,8.3) ; v1@33.148,5.727 R66.1@34.75,4.125 ; C104.2@35.65,3.375 35,3.375 34.75,3.125 R66.1@34.75,4.125 ; v1(35.925,8.26) 35.925,5.825 v1(35.675,5.575) 35.675,5.05 R66.1@34.75,4.125
  Bottom Layer w0.125: v1(33.125,8.3) 32.925,8.1 J10.A9@32.925,7.625 32.925,7.19 v1(33.175,6.94) J10.B4@33.175,6.325 33.175,6.062 33.189,6.048 33.189,5.746 v1(33.203,5.732) ; v1(35.244,5.638) J10.B9@35.675,6.069 ; v1(35.675,5.575) J10.B9@35.675,6.069 ; v1(35.925,8.26) J10.A4@35.925,7.625 35.925,7.171 35.794,7.04 v1(35.794,6.964) 35.794,6.888 35.675,6.769 J10.B9@35.675,6.325 J10.B9@35.675,6.069
XIN: C97.2 U12.27 Y1.1 | length 2.8
  Top Layer w0.125: U12.27@83.96,24.374 85.139,24.374 C97.2@85.235,24.47 86.153,24.47 Y1.1@86.523,24.839
XOUT: C96.2 U12.26 Y1.2 | length 2.8
  Top Layer w0.125: U12.26@83.96,23.874 85.144,23.874 C96.2@85.228,23.79 86.112,23.79 Y1.2@86.523,23.379
pads on no net: FID1.1 FID2.1 FID3.1 FID4.1 J1.4 J1.6 J1.10 J1.12 J1.16 J1.18 J1.21 J1.22 J1.23 J1.24 J1.27 J1.29 J1.32 J1.36 J1.38 J1.40 J1.43 J1.45 J1.46 J1.47 J1.48 J1.49 J1.51 J1.52 J1.53 J1.54 J1.55 J1.56 J1.57 J1.58 J1.59 J1.61 J1.63 J1.66 J1.68 J1.70 J6.11 J6.12 J7.17 J7.19 J7.21 J7.23 J7.25 J7.27 J7.31 J7.33 J7.35 J7.37 J7.39 J7.41 J7.43 J7.45 J7.47 J7.48 J7.49 J7.50 J7.51 J7.53 J7.54 J7.55 J7.56 J7.57 J7.58 J7.59 J7.60 J7.62 J7.63 J7.64 J7.65 J7.66 J7.68 J7.69 J7.70 J7.71 J7.72 J7.74 J7.75 J7.76 J7.77 J7.81 J7.83 J7.89 J7.91 J7.93 J7.95 J7.97 J7.99 J8.11 J8.12 J10.A8 J10.B8 U2.4 U3.6 U3.9 U5.1 U5.10 U6.4 U9.4 U12.1 U12.7 U12.8 U12.12 U12.13 U12.21 U12.22 U12.23 U12.24

## Polygon pours and split planes (outlines as drawn)
GND on Inner Layer 1 "GND_L02_P022" (solid, remove dead copper, pour order 22): 0,3 0,0 90,0 90,30.3 0,30.3 0,3
LED_FLD_2 on Inner Layer 1 "LED_FLD_2_L02_P008" (solid, remove dead copper, pour order 8): 57.875,15.625 56.75,16.75 27.425,16.75 25.125,14.45 20.2,14.45 18.925,15.725 18.925,18.35 19.475,18.9 71.55,18.9 73.85,16.6 73.85,15.875 73.6,15.625
5V on Inner Layer 1 "5V_L02_P004" (solid, remove dead copper, pour order 4): 30.25,19 73.45,19 75.325,17.125 75.325,15.25 77.775,12.8 83.325,12.8 83.875,13.35 83.875,17.95 83.4,18.425 79.375,18.425 76.325,21.475 65.525,21.475 64.4,22.6 31.3,22.6 30.25,21.55
LED_FLD_2 on Inner Layer 1 "LED_FLD_2_L02_P021" (solid, remove dead copper, pour order 21): 19.475,18.9 20.05,19.475 26.25,19.475 26.875,18.85
5V on Inner Layer 1 "5V_L02_P003" (solid, remove dead copper, pour order 3): 30.725,18.975 31.4,19.65 31.4,20.7 30.55,21.55 24.525,21.55 23.9,20.925 23.9,19.675 24.6,18.975 29.95,18.975
5V on Inner Layer 1 "5V_L02_P001" (solid, remove dead copper, pour order 1): 30.737,4.733 27.617,4.733 22.925,9.425 18.1,9.425 16.95,10.575 16.95,11.9 17.775,12.725 30.975,12.725 32,11.7 32,5.775 30.9,4.675
GND on Top Layer "GND_L01_P017" (solid, remove dead copper, pour order 17): 0,3 0,0 90,0 90,30.3 0,30.3 0,3
VBUSIN on Top Layer "VBUSIN_L01_P010" (solid, remove dead copper, pour order 10): 32.875,4.5 34.55,2.825 35.475,2.825 36.5,3.85 36.5,8.3 36.05,8.75 33.1,8.75 32.875,8.525
5V on Top Layer "5V_L01_P002" (solid, remove dead copper, pour order 2): 29.45,11.45 29.775,11.125 31.05,11.125 31.525,11.6 31.525,20.5 30.3,21.725 24.5,21.725 23.875,21.1 23.875,20.025 24.275,19.625 28.65,19.625 29.45,18.825
LED_FLD_2 on Top Layer "LED_FLD_2_L01_P007" (solid, remove dead copper, pour order 7): 74.35,15.8 73.775,15.8 73.6,15.625 72.75,15.625 72.575,15.8 72.575,16.375 72.9,16.7 73.75,16.7 74.475,15.975
LED_FLD_1 on Top Layer "LED_FLD_1_L01_P015" (solid, remove dead copper, pour order 15): 74.35,15.2 74.25,15.1 72.675,15.1 71.975,15.8 70.125,15.8 69.875,15.55 69.875,14.45 70.275,14.05 74,14.05 74.5,14.55 74.5,15.05
5V on Top Layer "5V_L01_P011" (solid, remove dead copper, pour order 11): 18.075,11.5 18.4,11.825 21.8,11.825 22.425,11.2 22.425,10.375 22.1,10.05 18.525,10.05 18.075,10.5 18.075,10.75
VBUS on Top Layer "VBUS_L01_P009" (solid, remove dead copper, pour order 9): 31.825,4.15 32.25,3.725 32.25,1.025 32.375,0.9 34.025,0.9 34.225,1.1 34.225,3.175 33.675,3.725 33.675,4.45 32.775,4.45 32.35,4.875
NetL5_2 on Top Layer "NETL5_2_L01_P006" (solid, remove dead copper, pour order 6): 73.625,19.4 73.225,19 73.225,17.675 73.725,17.175 74.05,17.175 75.1,16.125 75.1,15.95 75.3,15.95 75.3,17.2 74.825,17.675 74.825,18.975 74.4,19.4
5V on Top Layer "5V_L01_P005" (solid, remove dead copper, pour order 5): 75.55,15.425 76.125,14.85 76.375,14.85 77.175,14.05 78.75,14.05 80.2,12.6 83.35,12.6 84.125,13.375 84.125,17.9 83.475,18.55 77.5,18.55 76.625,19.425 75.9,19.425 75.65,19.175 75.65,17.9 76.3,17.25 76.3,16.075 75.825,15.6 75.675,15.6 75.6,15.525 75.6,15.5
GND on Bottom Layer "GND_L06_P023" (solid, remove dead copper, pour order 23): 0,3 0,0 90,0 90,30.3 0,30.3 0,3
LED_FLD_1 on Bottom Layer "LED_FLD_1_L06_P016" (solid, remove dead copper, pour order 16): 68.3,15.625 69.3,14.625 70.875,14.625 71.725,15.475 71.725,18.1 70.775,19.05 68.975,19.05 68.3,18.375
LED_FLD_2 on Bottom Layer "LED_FLD_2_L06_P018" (solid, remove dead copper, pour order 18): 23,15.75 21.75,14.5 20,14.5 19.5,15 19.5,19.25 19.75,19.5 22.5,19.5 23,19 23,16.75
LED_FLD_2 on Bottom Layer "LED_FLD_2_L06_P013" (solid, remove dead copper, pour order 13): 22.925,17.7 22.925,18.225 22.25,18.9 20.85,18.9 20.35,18.4 20.35,16.025 20.775,15.6 22.975,15.6
GND on Ground 1 "GND_L03_P024" (solid, remove dead copper, pour order 24): 0,3 0,0 90,0 90,30.3 0,30.3 0,3
LED_FLD_1 on Ground 1 "LED_FLD_1_L03_P000" (solid, remove dead copper, pour order 0): 67.775,18.2 68.9,19.325 71.3,19.325 72.425,18.2 72.425,14.675 72.125,14.375 69.475,14.375 67.775,16.075
GND on Ground 2 "GND_L05_P019" (solid, remove dead copper, pour order 19): 0,3 0,0 90,0 90,30.3 0,30.3 0,3
GND on Inner Layer 2 "GND_L04_P020" (solid, remove dead copper, pour order 20): 0,3 0,0 90,0 90,30.3 0,30.3 0,3

## Keep-outs
Bottom Layer:
  rectangle: 45.6,7.525 45.925,7.825
Keep-Out Layer:
  the board outline again, w0.1

## Other copper
Top Layer:
  rectangle net 2V8: 15.75,14.625 16.925,15.45
  region net 5V: 74.971,20.291 76.105,20.291 76.389,20.006 76.389,19.209 76.233,19.052 75.272,19.052 74.771,19.552 74.771,20.116 74.947,20.291
  region net NetL5_2: 75.022,16.246 75.022,15.87 75.122,15.77 75.272,15.77 75.365,15.863 75.365,17.135 75.29,17.21
  region net LED_FLD_1: 74.408,15.257 74.309,15.256 74.193,15.14 73.826,15.14 73.571,15.395 72.42,15.395 72.225,15.2 72.225,15.098 72.886,14.437 74.385,14.437 74.566,14.618 74.566,15.162 74.472,15.257
  region net LED_FLD_2: 74.214,15.816 74.277,15.754 74.484,15.754 74.563,15.833 74.563,15.935 73.798,16.7 73.644,16.7
  region net 5V: 75.912,15.635 75.535,15.635 75.482,15.582 75.482,15.404 75.562,15.324 75.682,15.324 75.862,15.145
  region net 5V: 30.925,4.45 31.275,4.8 31.275,5.75 30.05,5.75 30.05,4.825 30.425,4.45
Bottom Layer:
  rectangle net GND: 67.125,15.375 67.9,18.6
  rectangle net GND: 23.275,15.25 24.075,18.6

## Silkscreen, mask and mechanical layers (free items; w line width, h text height)
Top Overlay:
  drawing of 16 lines, arcs and shapes, not listed
  text "+Z" at 2.95,27.55 h1.2
  text "+Y" at 8.525,27.5 h1.2
  text "+X" at 4.775,24.1 h1.2
  text "4" at 1,18 h1
  text "3" at 1,16.75 h1
  text "2" at 1,15.5 h1
  text "1" at 1,14.25 h1
  text "0" at 1,13 h1
  text ".project_title  .revision" at 72.548,11.387 h1.5 r90
  text "BOOT" at 1.5,9.5 h1 r90
  text "OAK-D-PRO-W" at 11.509,7.367 h3 r90
  text "3921" at 6.713,3.911 h2.5 r90
Bottom Overlay:
  drawing of 16 lines, arcs and shapes, not listed
  text "LEFT" at 1,14 h1.5 r270
  text "RIGHT" at 88,14 h1.5 r270
  text "3V3" at 47,11 h1
  text "W" at 26.096,8.925 h6
  text "C" at 74.667,7.875 h8
  text "e" at 21.217,7.784 h6
  text ".project_title  .revision" at 65.232,7.592 h1.5
Top Solder Mask:
  region: 74.025,0 74.025,1.5 ccw(c72.65,1.5) 72.65,2.875 ccw(c72.65,1.5) 71.275,1.5 71.275,0 69.65,0 69.65,1.503 cw(c72.647,1.503) 72.647,4.5 72.653,4.5 cw(c72.653,1.503) 75.65,1.503 75.65,0
  region: 20.875,0 20.875,1.5 ccw(c19.5,1.5) 19.5,2.875 ccw(c19.5,1.5) 18.125,1.5 18.125,0 16.5,0 16.5,1.503 cw(c19.497,1.503) 19.497,4.5 19.503,4.5 cw(c19.503,1.503) 22.5,1.503 22.5,0
Bottom Solder Mask:
  region: 74.025,0 74.025,1.5 ccw(c72.65,1.5) 72.65,2.875 ccw(c72.65,1.5) 71.275,1.5 71.275,0 69.65,0 69.65,1.503 cw(c72.647,1.503) 72.647,4.5 72.653,4.5 cw(c72.653,1.503) 75.65,1.503 75.65,0
  region: 20.875,0 20.875,1.5 ccw(c19.5,1.5) 19.5,2.875 ccw(c19.5,1.5) 18.125,1.5 18.125,0 16.5,0 16.5,1.503 cw(c19.497,1.503) 19.497,4.5 19.503,4.5 cw(c19.503,1.503) 22.5,1.503 22.5,0
Board:
  lines w0.1: 20.875,0 71.275,0 71.275,1.5 cw(c72.65,1.5) 74.025,1.5 74.025,0 87,0 ccw(c87,3) 90,3 90,27.3 ccw(c87,27.3) 87,30.3 3,30.3 ccw(c3,27.3) 0,27.3 0,3 ccw(c3,3) 3,0 18.125,0 18.125,1.508 cw(c19.5,1.508) 20.875,1.508 20.875,0 ; 20.875,0 20.875,0

## Text inside footprints (layer, text, board x,y; h text height)
D2: Bottom Overlay "c" at 67.816,15.433 h1 r90
D4: Bottom Overlay "c" at 23.434,18.567 h1 r270
J1: Top Assembly "CONNECTOR A" at 67.864,14.547 h0.8 r270
J6: Bottom Overlay "1" at 31.121,20.353 h1 r180; Bottom Overlay "10" at 36.953,20.353 h1 r180; Assembly Notes "Top contact ffc" at 31.503,24.953 h1 r180
J8: Bottom Overlay "1" at 52.621,20.353 h1 r180; Bottom Overlay "10" at 58.453,20.353 h1 r180; Assembly Notes "Top contact ffc" at 53.003,24.953 h1 r180
SW2: Top Overlay "ON" at 8.25,21.5 h1 r270
U5: Assembly Notes "Based on 0.125 thick stencil" at 36.6,13.395 h0.5